# Altium PCB RTv1.4.PcbDoc (part 1 of 2)
Units mm, origin at the board's own origin, x right, y up, seen from the top; angles counter-clockwise.
Board outline 89.43 x 42.95 mm, 4 copper layers (Top Layer, Layer GND, Layer VCC, Bottom Layer), stack 0.568 mm thick; 131 components, 210 nets, 644 pads, 229 vias.
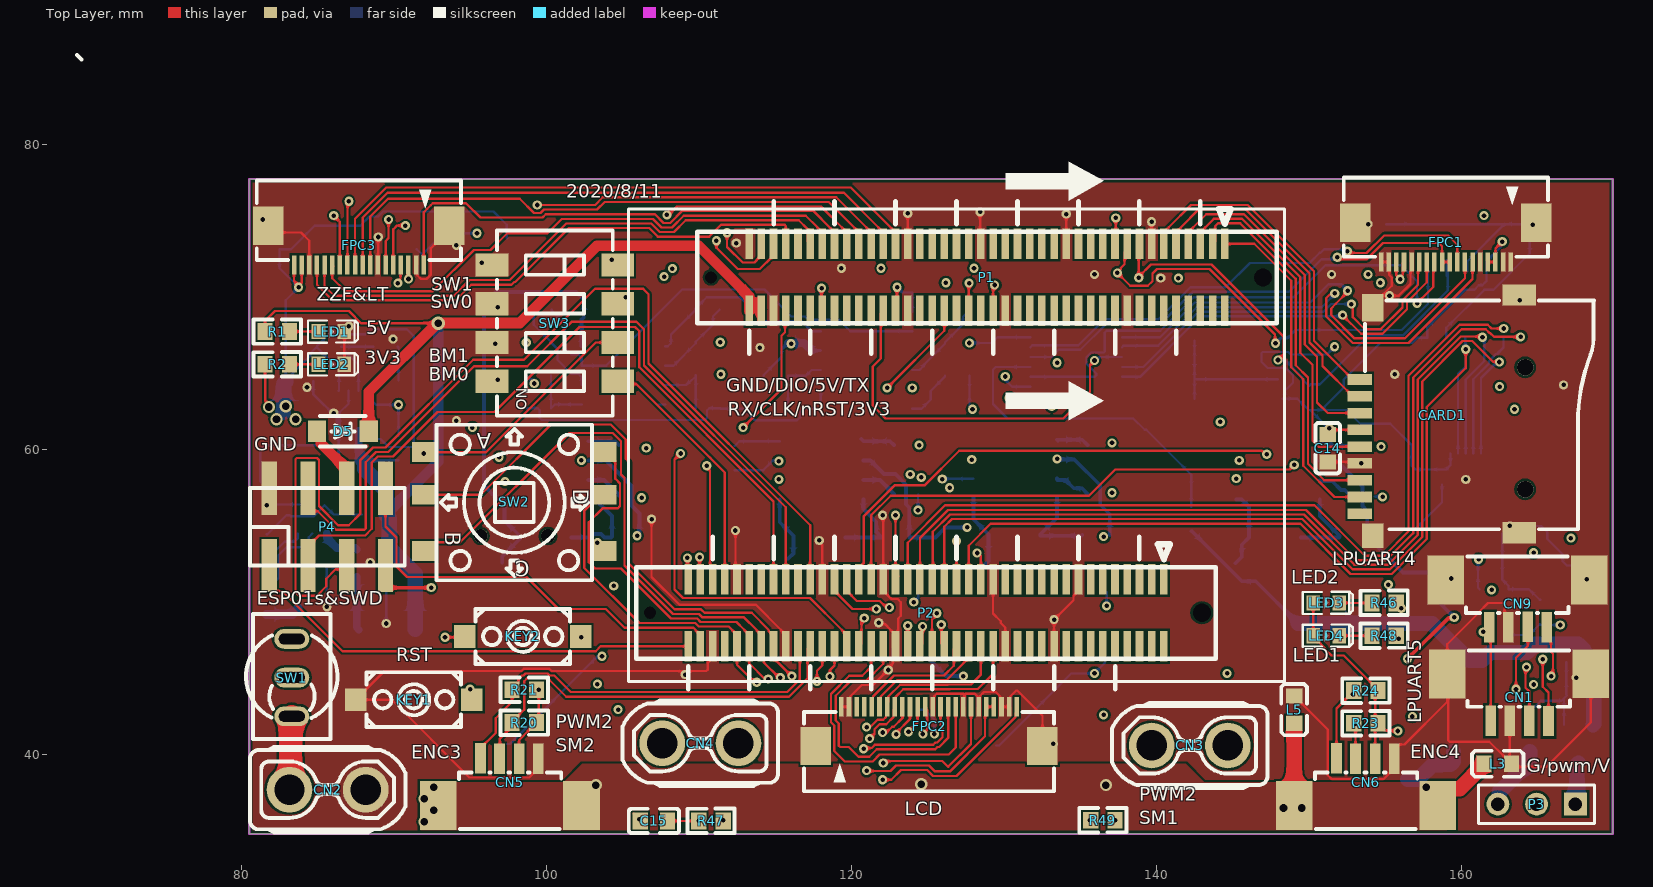
[diagram p0: Top Layer view]
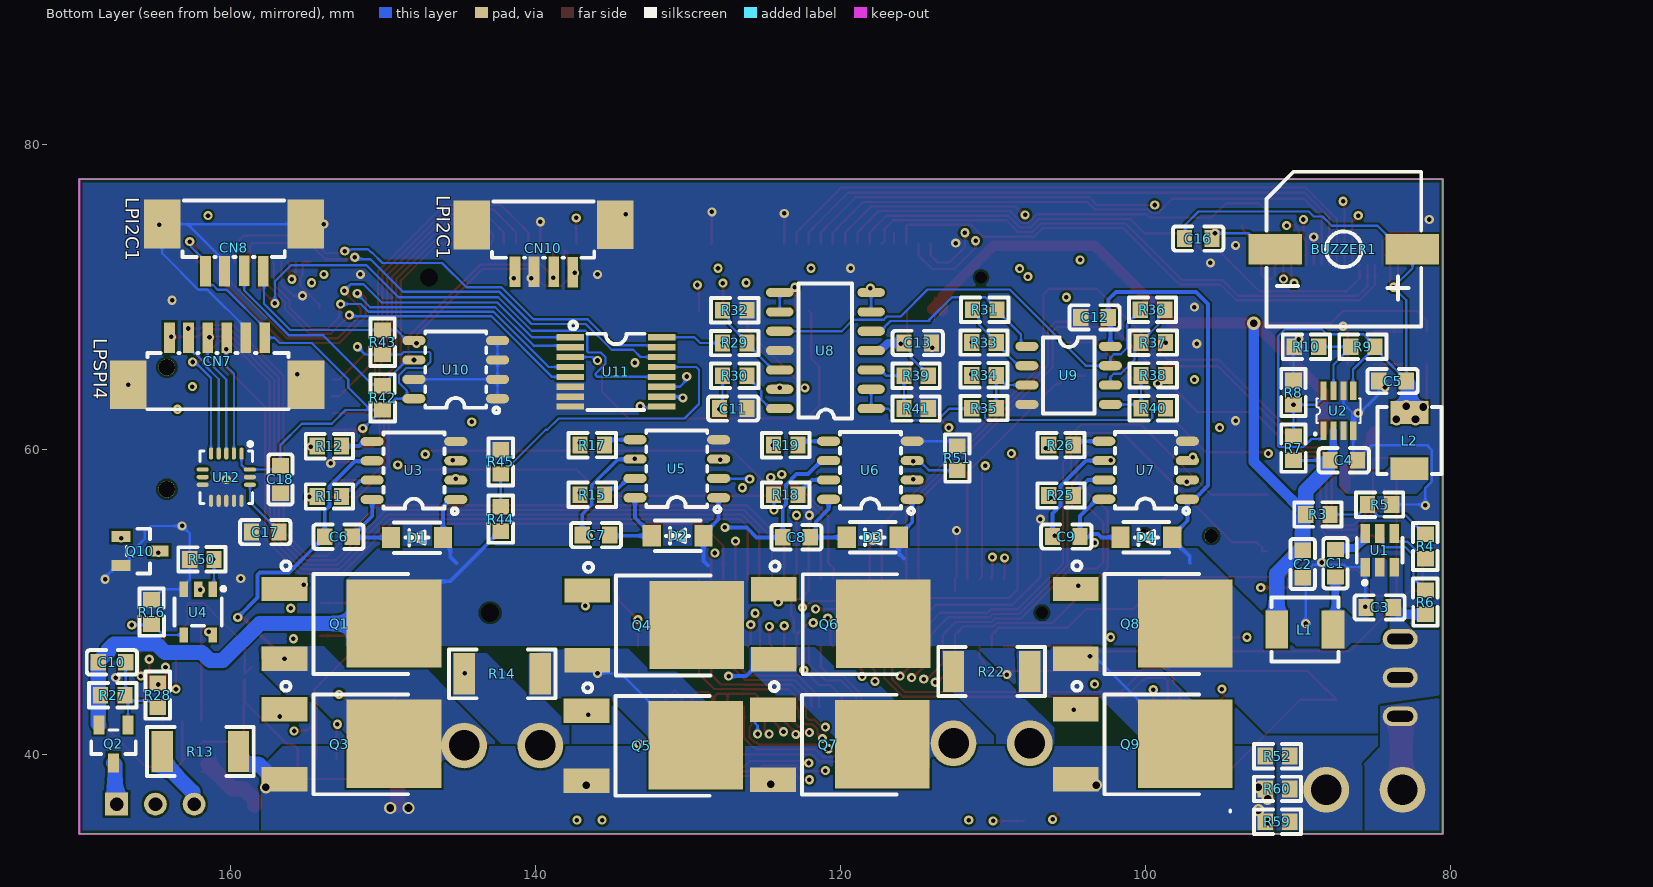
[diagram p1: Bottom Layer view, seen from below]
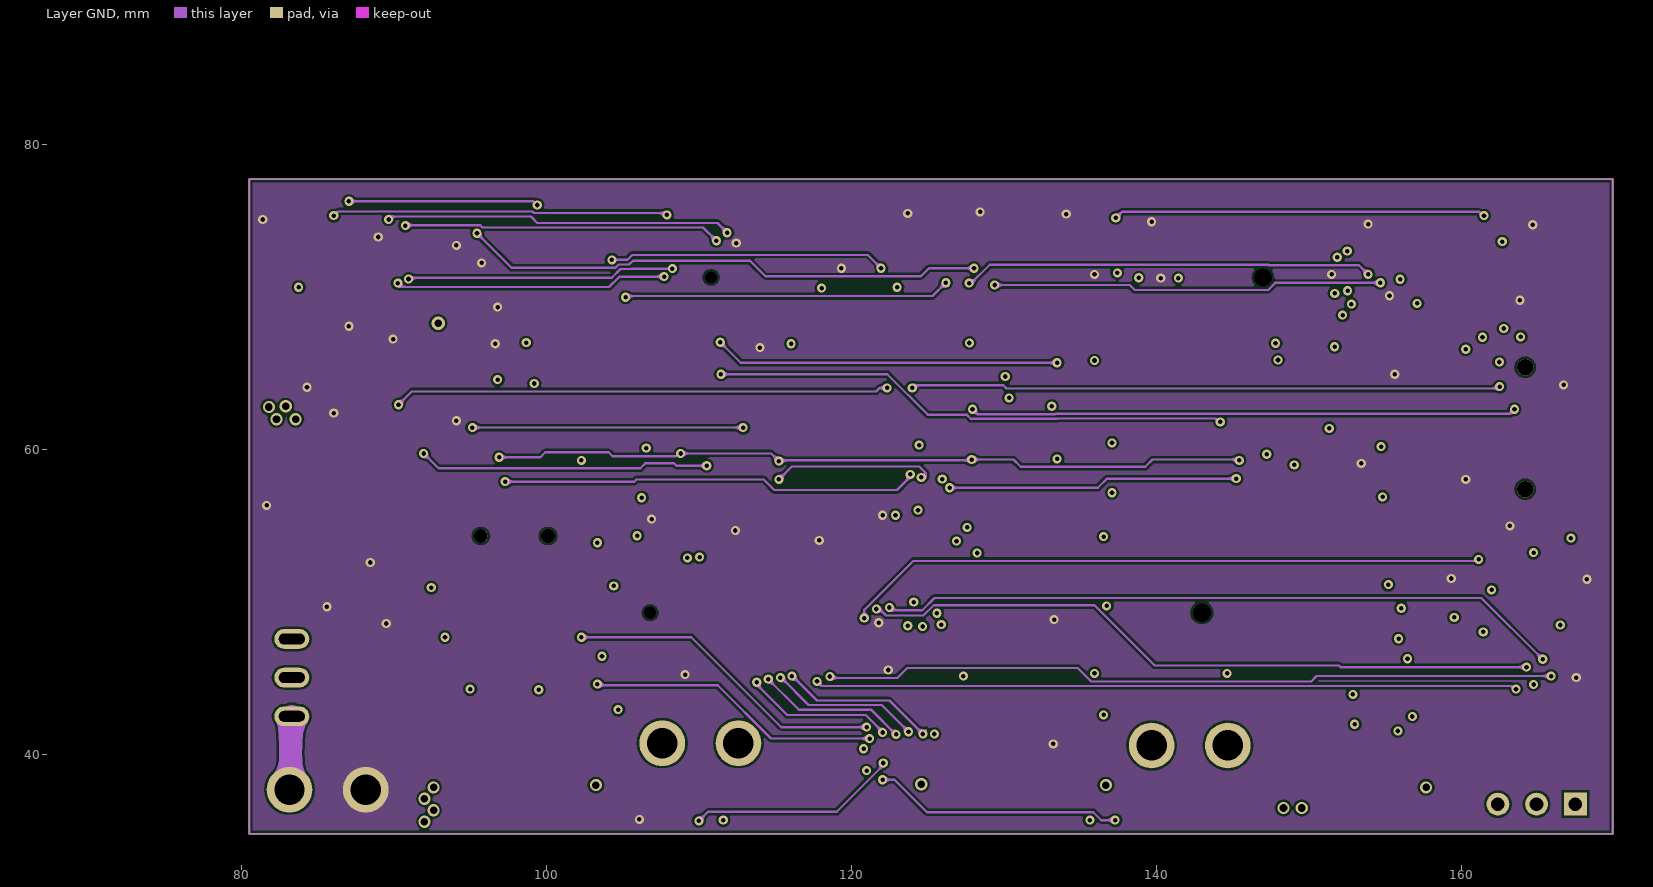
[diagram p2: Layer GND]
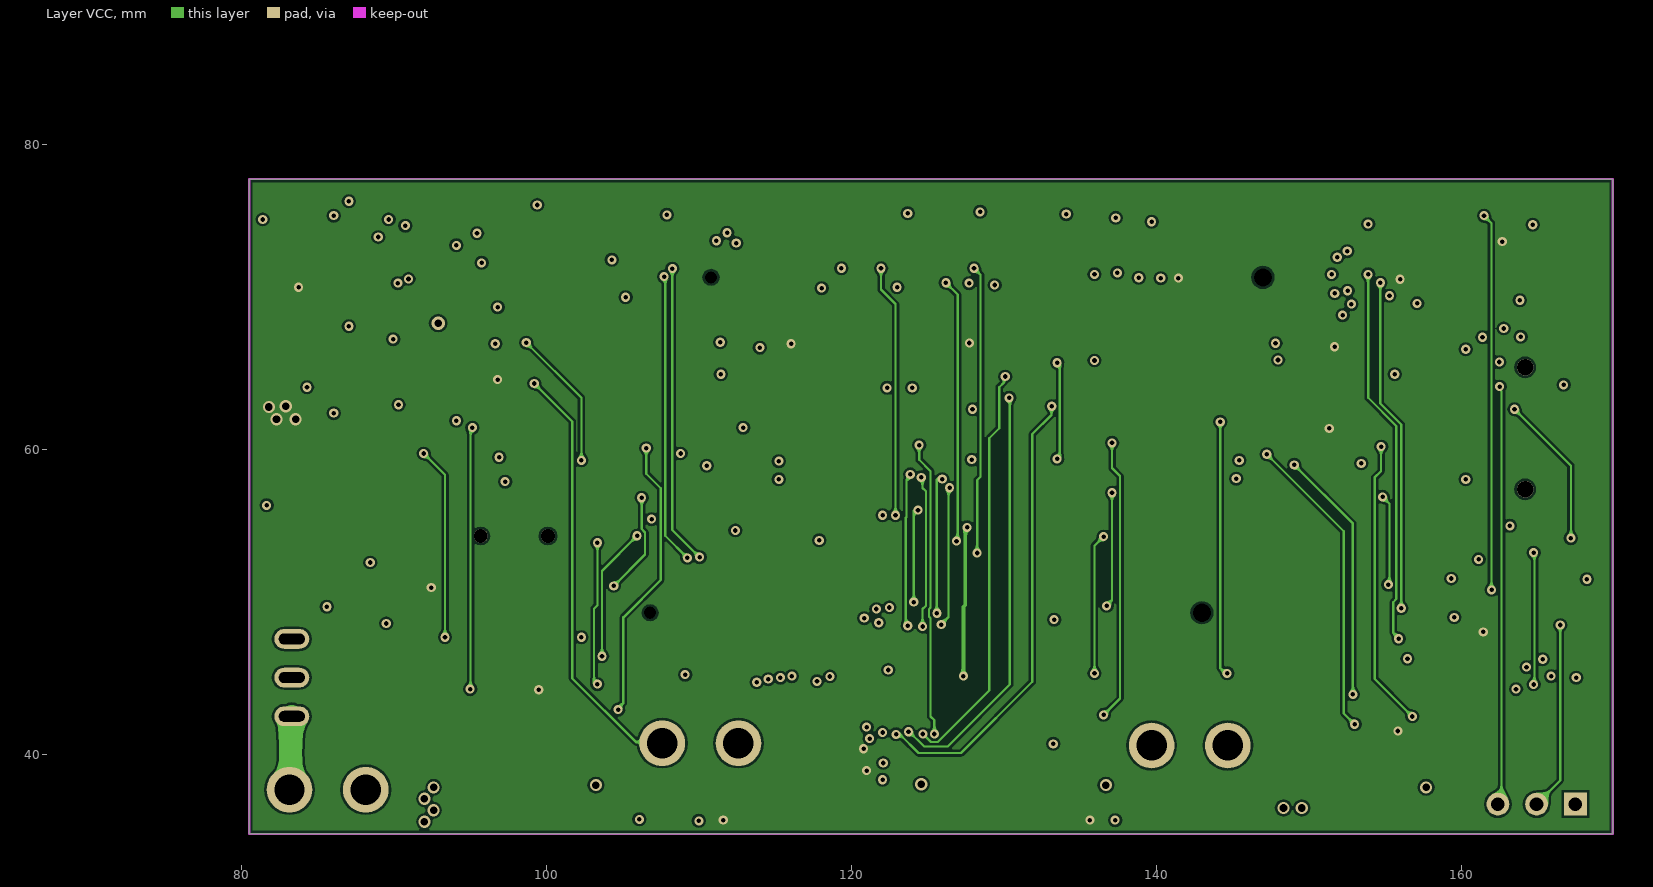
[diagram p3: Layer VCC]

## Layer stack, top to bottom
Top Solder: solder mask 0.0102, Solder Resist, Dk 3.5
Top Layer: signal copper 0.0356
Dielectric 2: prepreg 0.0711, PP-006, Dk 4.1
Layer GND: signal copper 0.0175
Dielectric 1: dielectric 0.32, FR-4, Dk 4.8
Layer VCC: signal copper 0.0175
Dielectric 3: prepreg 0.0711, PP-006, Dk 4.1
Bottom Layer: signal copper 0.0356
Bottom Solder: solder mask 0.0102, Solder Resist, Dk 3.5

## Board outline
80.518,34.798 80.518,77.75 169.95,77.75 169.95,34.798

## Design rules (kind name [scope] priority, off if disabled: settings)
Clearance [All] p1: gap=0.15 ignorepadtopadclearanceinfootprint=TRUE
MinimumSolderMaskSliver [All] p1: minsoldermaskwidth=0.05
PlaneClearance [All] p1: clearance=0.15
PlaneConnect [All] p1: planeconnectstyle=Direct reliefexpansion=0.508 reliefentries=4 reliefconductorwidth=0.254 reliefairgap=0.254
PolygonConnect [All] p1: connectstyle=Direct reliefconductorwidth=0.254 reliefentries=4 polygonreliefangle="90 Angle" airgapwidth=0.254
RoutingVias [All] p1: holewidth=0.3 width=0.6 viastyle="Through Hole" minholewidth=0.3 minwidth=0.6 maxholewidth=6.3 maxwidth=10
SilkToSilkClearance [All] p1: silktosilkclearance=0.15
SilkToSolderMaskClearance [IsPad] p1: minsilkscreentomaskgap=0.15 clearancetoexposedcopper=TRUE
SolderMaskExpansion [All] p1: expansion=0.102 istentingtop=FALSE
UnRoutedNet [All] p1: checkbadconnections=TRUE
Width [All] p1: maxlimit=3 minlimit=0.15 preferedwidth=0.15
24 further rules are at their usual default settings.

## Classes and differential pairs
net class SD1: H2_SD1_D2 J1_SD1_D0/SPI1_D0 J2_SD1_D3 J3_SD1_CLK0/SPI1_CS0 J4_SD1_CMD/SPI1_SCLK K1_SD1_D1/SPI1_D1
net class PWM2_SM3: M3_FlexSPI_D1_B M4_FlexSPI_D0_B
net class PWM2_SM2: A10_LCDIF_DATA07/BT_CFG_7 D9_LCDIF_DATA06/BT_CFG_6
net class PWM2_SM1: B9_LCDIF_DATA04 C9_LCDIF_DATA05
net class PWM1_SM3: L5_FlexSPI_D3_B M5_FlexSPI_D2_B
net class LPUART6: G11_ENET_nRST LPUART6.TX
net class LPUART5: D13_SD1_CD D14_WDOG1_B
net class LPUART4: A11_LCDIF_DATA12 B11_LCDIF_DATA13
net class LPUART1: K14_UART1_TXD L14_UART1_RXD
net class LPSPI4: B12_ENET_TX_D0 C12_ENET_CRS C13_ENET_RX_ER D12_ENET_RX_D1 E12_ENET_RX_D0
net class LPI2C1: LPI2C1.SCL LPI2C1.SDA
net class LCD: A8_LCDIF_DATA02 A9_LCDIF_DATA03 B8_LCDIF_DATA01 C8_LCDIF_DATA00 D7_LCDIF_CLK D8_LCDIF_VSYNC E7_LCDIF_ENABLE E8_LCDIF_HSYNC
net class ENC4: B14_LCD_PWM C14_LCD_TPINT
net class ENC3: C11_LCDIF_DATA14 D11_LCDIF_DATA15
net class ENC2: ENC2.A ENC2.B
net class ENC1: ENC1.A ENC1.B
component class DRIVERv1.4: C6 C7 C8 C9 CN3 CN4 CN5 CN6 D1 D2 D3 D4 L3 L5 P3 Q1 Q2 Q3 Q4 Q5 Q6 Q7 Q8 Q9 R11 R12 R13 R14 R15 R16 R17 R18 R19 R20 R21 R22 R23 R24 R25 R26 R50 R51 R52 R59 R60 U3 U4 U5 U6 U7
component class DCv1.4: C1 C2 C3 C4 C5 CN2 L1 L2 LED1 LED2 R1 R2 R3 R4 R5 R6 R7 R8 R9 R10 SW1 U1 U2
component class COREv1.4: KEY1 P1 P2
component class CONNECTv1.4: BUZZER1 C14 C15 C16 CARD1 CN1 CN7 CN8 CN9 CN10 D5 FPC1 FPC2 KEY2 LED3 LED4 P4 R42 R43 R44 R45 R46 R47 R48 R49 SW2 SW3 U10 U11
component class CAMERAv1.4: C17 C18 FPC3 U12
component class ANALOGv1.4: C10 C11 C12 C13 Q10 R27 R28 R29 R30 R31 R32 R33 R34 R35 R36 R37 R38 R39 R40 R41 U8 U9

## Components (designator, comment, footprint, x,y, rotation, side; value= is the part's Value field where it differs from the comment)
BUZZER1 "FST-9650B-3V" BUZ-SMD_L9.6-W9.6-LS10.0-R 87,73.15 r180 bottom
C1 "1u" C0603 87.55,52.55 r90 bottom
C2 "226" C0603 89.7,52.5 r90 bottom
C3 "226" C0603 84.65,49.65 r180 bottom
C4 "226" C0603 87,59.3 r0 bottom
C5 "226" C0603 83.8,64.5 r180 bottom
C6 "155" C0603 152.94,54.285 r180 bottom
C7 "155" C0603 136.05,54.4 r180 bottom
C8 "155" C0603 122.9,54.25 r180 bottom
C9 "155" C0603 105.2,54.3 r180 bottom
C10 "0.1u" C0603 167.8,46.05 r0 bottom
C11 "0.1u" C0603 127.05,62.7 r0 bottom
C12 "0.1u" C0603 103.35,68.674 r180 bottom
C13 "0.1u" C0603 114.95,67 r0 bottom
C14 "0.1u" C0603 151.25,60.1 r90 top
C15 "0.1u" C0603 107.05,35.65 r0 top
C16 "0.1u" C0603 96.55,73.85 r0 bottom
C17 "0.1u" C0603 157.75,54.6 r180 bottom
C18 "155" C0603 156.75,58.05 r270 bottom
CARD1 "TF-15×15" "PCBComponent_1 - duplicate" 158.574,62.25 r0 top
CN1 "1.25T-4P-WT" CONN-SMD_4P-1.25P_1.25T-4P 163.8,43.75 r0 top
CN2 "XT30" CONN-TH_XT30UPB-F 85.649,37.7 r0 top locked
CN3 "XT30" CONN-TH_XT30UPB-F 142.2,40.6 r180 top
CN4 "XT30" CONN-TH_XT30UPB-F 110.1,40.75 r180 top
CN5 "1.25T-4P-WT" CONN-SMD_4P-1.25P_1.25T-4P 97.6,38.2 r180 top
CN6 "1.25T-4P-WT" CONN-SMD_4P-1.25P_1.25T-4P 153.75,38.2 r180 top
CN7 "1.25T-6P-WT" CONN-SMD_6P-P1.25_1.25T-6P-WT 160.9,65.8 r180 bottom
CN8 "1.25T-4P-WT" CONN-SMD_4P-1.25P_1.25T-4P 159.8,73.25 r180 bottom
CN9 "1.25T-4P-WT" CONN-SMD_4P-1.25P_1.25T-4P 163.7,49.9 r0 top
CN10 "1.25T-4P-WT" CONN-SMD_4P-1.25P_1.25T-4P 139.5,73.2 r180 bottom
D1 "1N4007W" SOD-123_L2.8-W1.8-LS3.7-RD 147.79,54.235 r180 bottom
D2 "1N4007W" SOD-123_L2.8-W1.8-LS3.7-RD 130.7,54.35 r180 bottom
D3 "1N4007W" SOD-123_L2.8-W1.8-LS3.7-RD 117.9,54.25 r180 bottom
D4 "1N4007W" SOD-123_L2.8-W1.8-LS3.7-RD 99.95,54.25 r180 bottom
D5 "1N4007W" SOD-123_L2.8-W1.8-LS3.7-RD 86.65,61.2 r180 top
FPC1 "F0502-B-18-20T-R" FPC-SMD_18P-P0.50_F0502-B-18-20T-R 159,73.6 r180 top
FPC2 "F0502-B-24-20T-R" FPC-SMD_24P-P0.50_F0502-B-24-20T-R 125.1,41.85 r0 top
FPC3 "F0502-B-18-20T-R" FPC-SMD_18P-P0.50_F0502-B-18-20T-R 87.7,73.4 r180 top
KEY1 "K2-3.6×6.1_SMD" KEY-SMD_2P-L6.2-W3.6-LS8.0 91.3,43.6 r0 top
KEY2 "K2-3.6×6.1_SMD" KEY-SMD_2P-L6.2-W3.6-LS8.0 98.45,47.75 r0 top
L1 "2.2uH" IND-SMD_L4.4-W4.2 89.55,48.2 r0 bottom
L2 "2.2uH" IND-SMD_L4.4-W4.2 82.7,60.6 r270 bottom
L3 "600R" L0603 162.4,39.4 r180 top
L5 "600R" L0603 149.05,42.95 r270 top
LED1 "LED-0603_R" LED0603_RED 85.9,67.75 r0 top
LED2 "LED-0603_G" LED0603_GREEN 85.9,65.6 r0 top
LED3 "LED-0603_G" LED0603_GREEN 151.15,49.95 r0 top
LED4 "LED-0603_R" LED0603_RED 151.15,47.8 r0 top
P1 "LEFT" CON80 128.9,71.3 r270 top
P2 "RIGHT" CON80 124.9,49.3 r270 top
P3 "Header 3" HDR1X3 167.49,36.75 r180 top
P4 "SMT-2.54-2X4P" SMT-2.54-2X4P 81.82,52.4 r90 top
Q1 "IRLR7843TRLPBF" DPAK_L6.5-W6.0-P2.29-LS9.9-TL 152.89,48.575 r180 bottom
Q2 "AO3415" SOT-23-3_L2.9-W1.3-P1.90-LS2.4-BR 167.7,40.7 r90 bottom
Q3 "IRLR7843TRLPBF" DPAK_L6.5-W6.0-P2.29-LS9.9-TL 152.89,40.675 r180 bottom
Q4 "IRLR7843TRLPBF" DPAK_L6.5-W6.0-P2.29-LS9.9-TL 133.04,48.475 r180 bottom
Q5 "IRLR7843TRLPBF" DPAK_L6.5-W6.0-P2.29-LS9.9-TL 133.09,40.575 r180 bottom
Q6 "IRLR7843TRLPBF" DPAK_L6.5-W6.0-P2.29-LS9.9-TL 120.8,48.55 r180 bottom
Q7 "IRLR7843TRLPBF" DPAK_L6.5-W6.0-P2.29-LS9.9-TL 120.85,40.65 r180 bottom
Q8 "IRLR7843TRLPBF" DPAK_L6.5-W6.0-P2.29-LS9.9-TL 101,48.575 r180 bottom
Q9 "IRLR7843TRLPBF" DPAK_L6.5-W6.0-P2.29-LS9.9-TL 101,40.675 r180 bottom
Q10 "AO3416" SOT-23-3_L2.9-W1.6-P1.90-LS2.8-BR 165.95,53.35 r0 bottom
R1 "10k" R0603 82.35,67.75 r180 top
R2 "4.7k" R0603 82.35,65.6 r180 top
R3 "43k" R0603 88.7,55.75 r0 bottom
R4 "20k" R0603 81.65,53.65 r90 bottom
R5 "8.2k" R0603 84.65,56.4 r0 bottom
R6 "100k" R0603 81.65,50 r270 bottom
R7 "0_DNP" R0603 90.3,60.1 r90 bottom
R8 "100k_DNP" R0603 90.3,63.75 r90 bottom
R9 "10k" R0603 85.75,66.75 r0 bottom
R10 "2.2k" R0603 89.45,66.75 r0 bottom
R11 "22" R0603 153.54,56.935 r0 bottom
R12 "22" R0603 153.54,60.235 r0 bottom
R13 "R050" R2010 162,40.2 r0 bottom
R14 "R002" R2010 142.2,45.3 r0 bottom
R15 "22" R0603 136.3,57.05 r0 bottom
R16 "10k" R0603 165.2,49.35 r270 bottom
R17 "22" R0603 136.3,60.3 r0 bottom
R18 "22" R0603 123.6,57.05 r0 bottom
R19 "22" R0603 123.6,60.3 r0 bottom
R20 "10k" R0603 98.55,42.1 r180 top
R21 "10k" R0603 98.55,44.25 r180 top
R22 "R002" R2010 110.1,45.45 r0 bottom
R23 "10k" R0603 153.75,42.05 r180 top
R24 "10k" R0603 153.75,44.2 r180 top
R25 "22" R0603 105.55,57 r0 bottom
R26 "22" R0603 105.55,60.3 r0 bottom
R27 "1k" R0603 167.75,43.9 r0 bottom
R28 "1k" R0603 164.8,43.9 r270 bottom
R29 "100k" R0603 126.95,67 r0 bottom
R30 "1k" R0603 126.95,64.85 r0 bottom
R31 "100k" R0603 110.55,69.174 r180 bottom
R32 "1k" R0603 126.95,69.15 r0 bottom
R33 "1k" R0603 110.6,67.024 r180 bottom
R34 "1k" R0603 110.6,64.874 r180 bottom
R35 "100k" R0603 110.6,62.724 r180 bottom
R36 "100k" R0603 99.55,69.174 r180 bottom
R37 "1k" R0603 99.5,67.024 r0 bottom
R38 "1k" R0603 99.5,64.874 r0 bottom
R39 "10k" R0603 115.05,64.85 r180 bottom
R40 "100k" R0603 99.5,62.724 r0 bottom
R41 "10k" R0603 115.05,62.7 r0 bottom
R42 "4.7k" R0603 150.05,63.4 r270 bottom
R43 "4.7k_DNP" R0603 150.05,67.05 r270 bottom
R44 "20k" R0603 142.3,55.45 r270 bottom
R45 "10k" R0603 142.3,59.2 r270 bottom
R46 "4.7k" R0603 154.95,49.95 r0 top
R47 "10k" R0603 110.8,35.65 r0 top
R48 "4.7k" R0603 154.95,47.8 r0 top
R49 "51" R0603 136.5,35.7 r0 top
R50 "10k" R0603 161.9,52.8 r180 bottom
R51 "10k" R0603 112.35,59.45 r270 bottom
R52 "0" R0603 91.35,39.9 r0 bottom
R59 "0" R0603 91.35,35.6 r0 bottom
R60 "0" R0603 91.35,37.75 r0 bottom
SW1 "2MS1T1B1M1QES-5" SW-TH_2MD1T1B1M1QES-5 83.3,45.05 r90 top locked
SW2 "K1-1504SA-03" SW-TH_K1-1504SA-03 97.9,56.6 r0 top
SW3 "1-1825059-8" SW-TH_1-1825059-8 100.55,68.3 r90 top
U1 "MP1471AGJ-Z" TSOT-23-6_L2.9-W1.6-P0.95-LS2.8-BR 84.65,53.4 r270 bottom
U2 "MP2161GJ-Z" TSOT-23-8_L2.9-W1.6-P0.65-LS2.8-BR 87.35,62.55 r270 bottom
U3 "IR2104STRPBF" SOIC-8_L4.9-W3.9-P1.27-LS6.0-BL 147.99,58.635 r90 bottom
U4 "SN74LVC1G126DBVR" SOT-23-5_L3.0-W1.7-P0.95-LS2.8-BR 162.15,49.35 r90 bottom
U5 "IR2104STRPBF" SOIC-8_L4.9-W3.9-P1.27-LS6.0-BL 130.75,58.75 r90 bottom
U6 "IR2104STRPBF" SOIC-8_L4.9-W3.9-P1.27-LS6.0-BL 118.05,58.65 r90 bottom
U7 "IR2104STRPBF" SOIC-8_L4.9-W3.9-P1.27-LS6.0-BL 100,58.65 r90 bottom
U8 "LMV324" SOP-14_L8.6-W3.9-P1.27-LS6.0-BL 121,66.5 r90 bottom
U9 "AD8066ARZ" SOIC-8_L5.0-W4.0-P1.27-LS6.0-BL 105.05,64.874 r270 bottom
U10 "K24C02_C10510" SOIC-8_L4.9-W3.9-P1.27-LS6.0-BL 145.25,65.25 r90 bottom
U11 "74HC4051PW,118" TSSOP-16_L5.0-W4.4-P0.65-LS6.4-BL 134.75,65.1 r270 bottom
U12 "ICM-20602" LGA-16_L3.0-W3.0-P0.50-BL 160.3,58.2 r0 bottom

## Footprints (in the part's own frame and the unit in brackets; to place one, negate y for a bottom-side part, rotate by r counter-clockwise, add the part's x,y. Pads: shape width x height; smd on the part's side, far side on the other; paste and mask are expansions set on the pad)
BUZ-SMD_L9.6-W9.6-LS10.0-R [mm]
  rect 3.5x2 smd: 1(4.5,0)
  rect 3.5x2.002 smd: 2(-4.5,0)
  silkscreen extent -5.08,-5.08 5.08,5.08
C0603 [mm]
  rect 1x1.1 smd: 1(-0.9,0) 2(0.9,0)
  silkscreen extent -1.65,-0.8 1.65,0.8
CON80 [mm]
  rect 2x0.5 smd: 1(-2.2,15.6) 2(2.2,15.6) 3(-2.2,14.8) 4(2.2,14.8) 5(-2.2,14) 6(2.2,14) 7(-2.2,13.2) 8(2.2,13.2) 9(-2.2,12.4) 10(2.2,12.4) 11(-2.2,11.6) 12(2.2,11.6) 13(-2.2,10.8) 14(2.2,10.8) 15(-2.2,10) 16(2.2,10) 17(-2.2,9.2) 18(2.2,9.2) 19(-2.2,8.4) 20(2.2,8.4) 21(-2.2,7.6) 22(2.2,7.6) 23(-2.2,6.8) 24(2.2,6.8) 25(-2.2,6) 26(2.2,6) 27(-2.2,5.2) 28(2.2,5.2) 29(-2.2,4.4) 30(2.2,4.4) 31(-2.2,3.6) 32(2.2,3.6) 33(-2.2,2.8) 34(2.2,2.8) 35(-2.2,2) 36(2.2,2) 37(-2.2,1.2) 38(2.2,1.2) 39(-2.2,0.4) 40(2.2,0.4) 41(-2.2,-0.4) 42(2.2,-0.4) 43(-2.2,-1.2) 44(2.2,-1.2) 45(-2.2,-2) 46(2.2,-2) 47(-2.2,-2.8) 48(2.2,-2.8) 49(-2.2,-3.6) 50(2.2,-3.6) 51(-2.2,-4.4) 52(2.2,-4.4) 53(-2.2,-5.2) 54(2.2,-5.2) 55(-2.2,-6) 56(2.2,-6) 57(-2.2,-6.8) 58(2.2,-6.8) 59(-2.2,-7.6) 60(2.2,-7.6) 61(-2.2,-8.4) 62(2.2,-8.4) 63(-2.2,-9.2) 64(2.2,-9.2) 65(-2.2,-10) 66(2.2,-10) 67(-2.2,-10.8) 68(2.2,-10.8) 69(-2.2,-11.6) 70(2.2,-11.6) 71(-2.2,-12.4) 72(2.2,-12.4) 73(-2.2,-13.2) 74(2.2,-13.2) 75(-2.2,-14) 76(2.2,-14) 77(-2.2,-14.8) 78(2.2,-14.8) 79(-2.2,-15.6) 80(2.2,-15.6)
  round 0.5 hole 0.8 unplated: 81(0,-18.1)
  round 1 hole 1.2 unplated: 82(0,18.1)
  silkscreen extent -5,-19 5,19
CONN-SMD_4P-1.25P_1.25T-4P [mm]
  rect 0.7x2 smd: 1(-1.863,-1.544) 2(-0.614,-1.544) 3(0.677,-1.529) 4(1.926,-1.546)
  rect 2.4x3.198 smd: 5(4.705,1.546)
  rect 2.4x3.2 smd: 6(-4.705,1.545)
  silkscreen extent -3.37,-0.61 3.34,3.09
CONN-SMD_6P-P1.25_1.25T-6P-WT [mil]
  rect 27.5x78.8 smd: 1(123.03,60.75) 2(73.82,60.75) 4(-24.61,60.85) 5(-73.82,60.87)
  rect 27.6x78.7 smd: 3(24.61,60.8)
  rect 27.5x78.7 smd: 6(-123.03,60.9)
  rect 94.5x125.9 smd: 7(-229.34,-60.9)
  rect 94.5x126 smd: 8(229.34,-60.85)
  silkscreen extent -180,-124 184,22
CONN-TH_XT30UPB-F [mm]
  round 3 hole 2: 1(-2.499,0) 2(2.501,0)
  silkscreen extent -5.1,-2.8 5.1,2.8
DPAK_L6.5-W6.0-P2.29-LS9.9-TL [mil]
  rect 118.1x63 smd: 1(-141.34,90.16) 3(-141.34,-90.16)
  rect 244.1x228.34 smd: 4(141.34,1)
  silkscreen extent -150,-129 177,162
FPC-SMD_18P-P0.50_F0502-B-18-20T-R [mm]
  rect 0.3x1.25 smd: 1(-4.25,1.288) 2(-3.75,1.288) 3(-3.25,1.288) 4(-2.75,1.288) 5(-2.25,1.288) 6(-1.75,1.288) 7(-1.25,1.288) 8(-0.75,1.288) 9(-0.25,1.288) 10(0.25,1.288) 11(0.75,1.288) 12(1.25,1.288) 13(1.75,1.288) 14(2.25,1.288) 15(2.75,1.288) 16(3.25,1.288) 17(3.75,1.288) 18(4.25,1.288)
  rect 2x2.5 smd: 19(5.94,-1.287) 20(-5.94,-1.287)
  silkscreen extent -6.7,-4.25 6.7,0.95
FPC-SMD_24P-P0.50_F0502-B-24-20T-R [mm]
  rect 0.3x1.25 smd: 1(-5.75,1.288) 2(-5.25,1.288) 3(-4.75,1.288) 4(-4.25,1.288) 5(-3.75,1.288) 6(-3.25,1.288) 7(-2.75,1.288) 8(-2.25,1.288) 9(-1.75,1.288) 10(-1.25,1.288) 11(-0.75,1.288) 12(-0.25,1.288) 13(0.25,1.288) 14(0.75,1.288) 15(1.25,1.288) 16(1.75,1.288) 17(2.25,1.288) 18(2.75,1.288) 19(3.25,1.288) 20(3.75,1.288) 21(4.25,1.288) 22(4.75,1.288) 23(5.25,1.288) 24(5.75,1.288)
  rect 2x2.5 smd: 25(7.44,-1.287) 26(-7.44,-1.287)
  silkscreen extent -8.2,-4.25 8.2,0.95
HDR1X3 [mm] "Connector; Header; 3 Position"
  rect 1.5x1.5 hole 0.9: 1(0,0)
  round 1.5 hole 0.9: 2(2.54,0) 3(5.08,0)
  silkscreen extent -1.27,-1.27 6.35,1.27
IND-SMD_L4.4-W4.2 [mm]
  rect 1.5x2.5 smd: 1(-1.85,0) 2(1.85,0)
  silkscreen extent -2.2,-2.1 2.2,2.1
KEY-SMD_2P-L6.2-W3.6-LS8.0 [mm]